# Altium PCB PCB1.PcbDoc (part 1 of 2)
Units mm, origin at the board's own origin, x right, y up, seen from the top; angles counter-clockwise.
Board outline 131 x 56.04 mm, 2 copper layers (Top Layer, Bottom Layer), stack 1.036 mm thick; 213 components, 147 nets, 680 pads, 334 vias.
Unrouted connection lines stored in the file: 4.
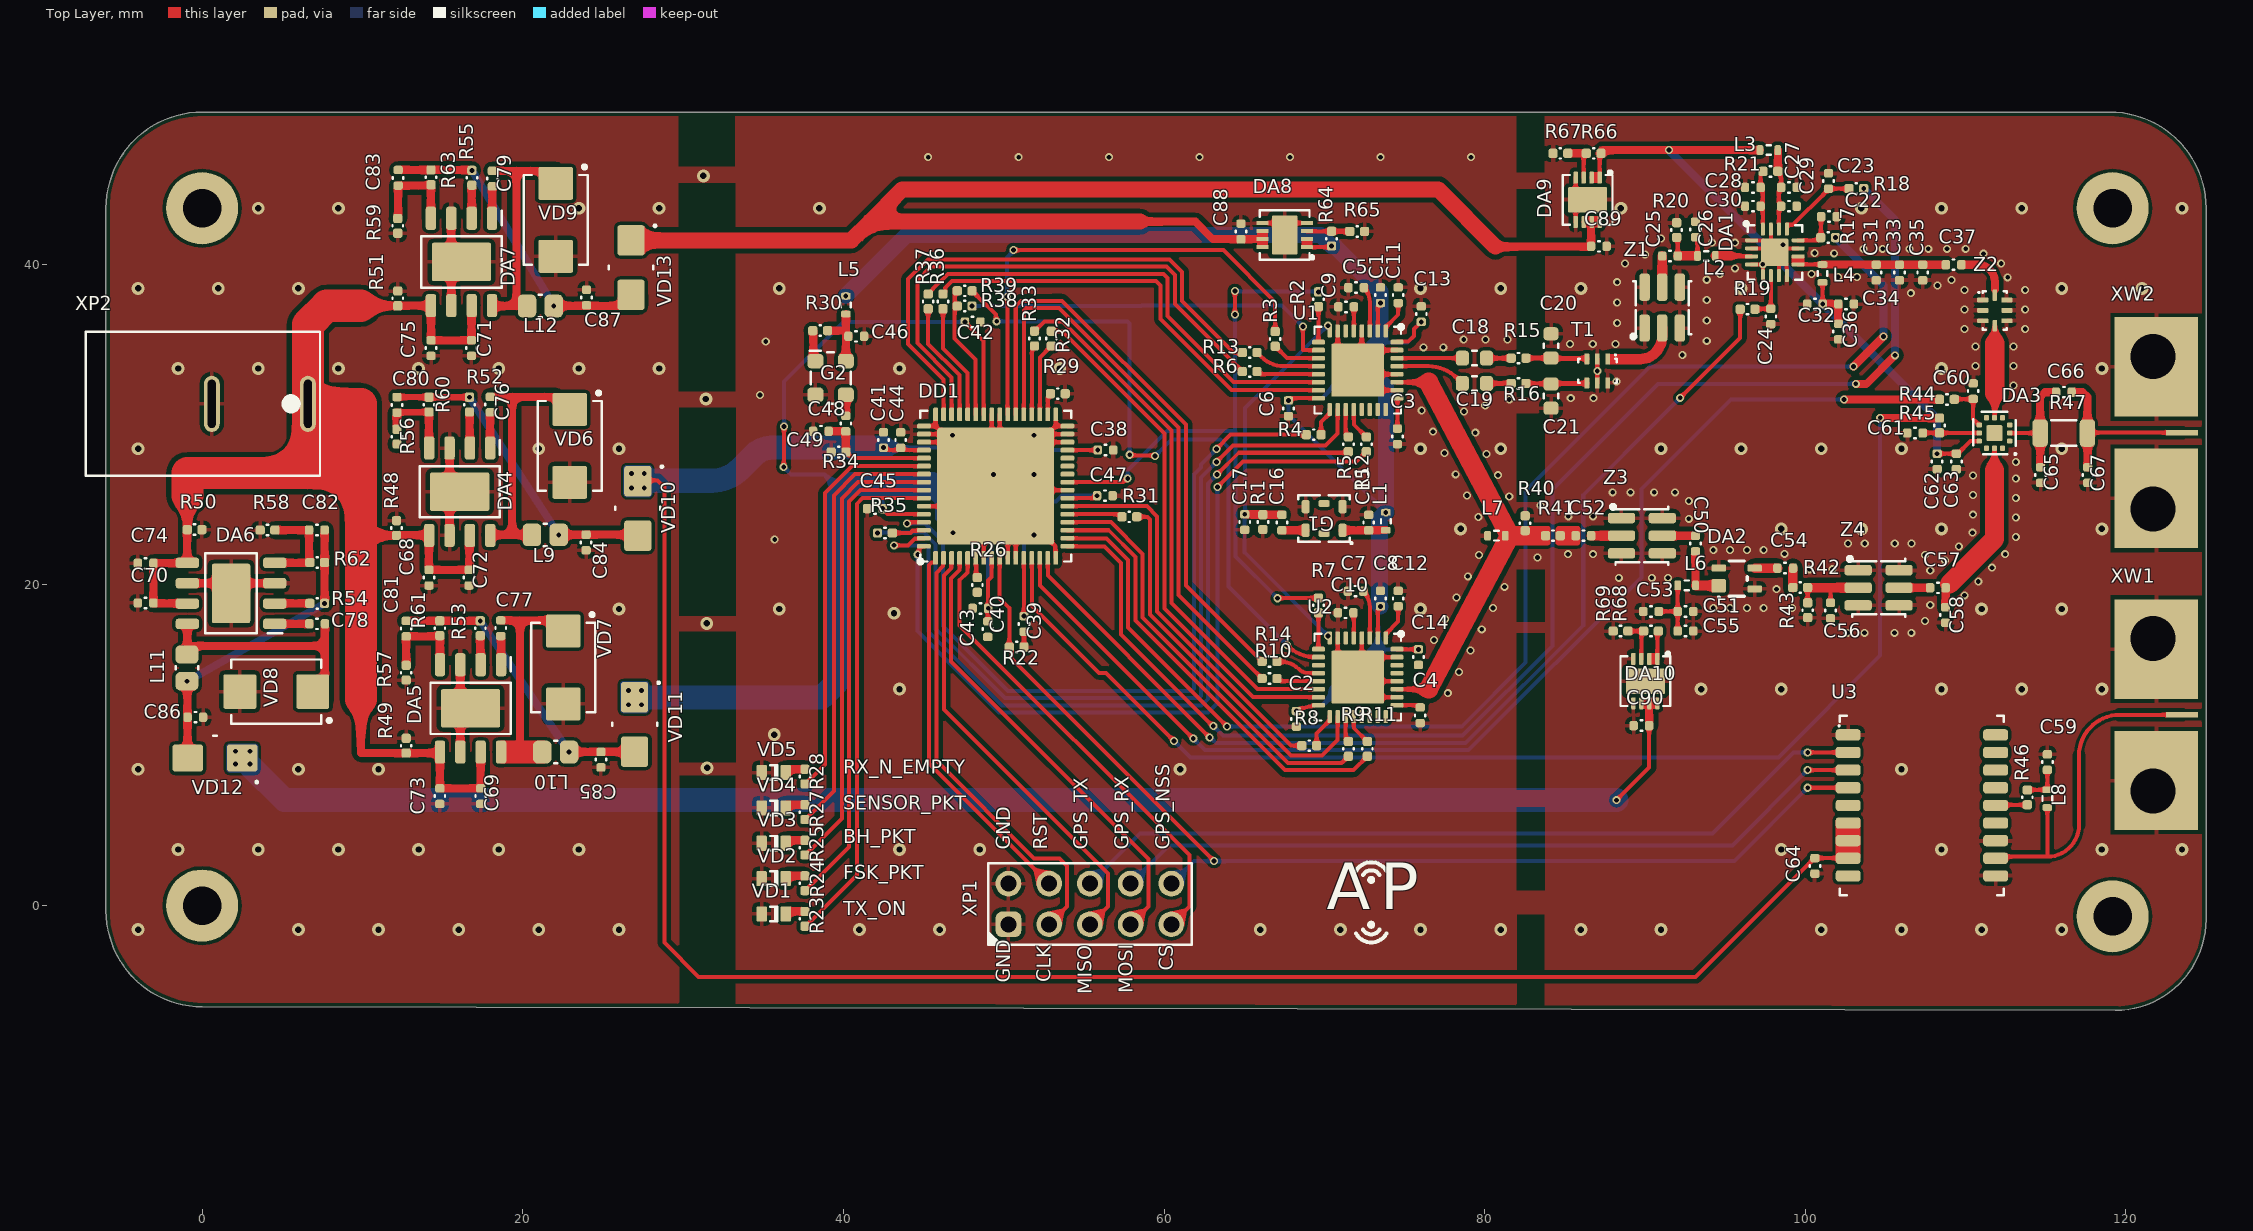
[diagram p0: Top Layer view]
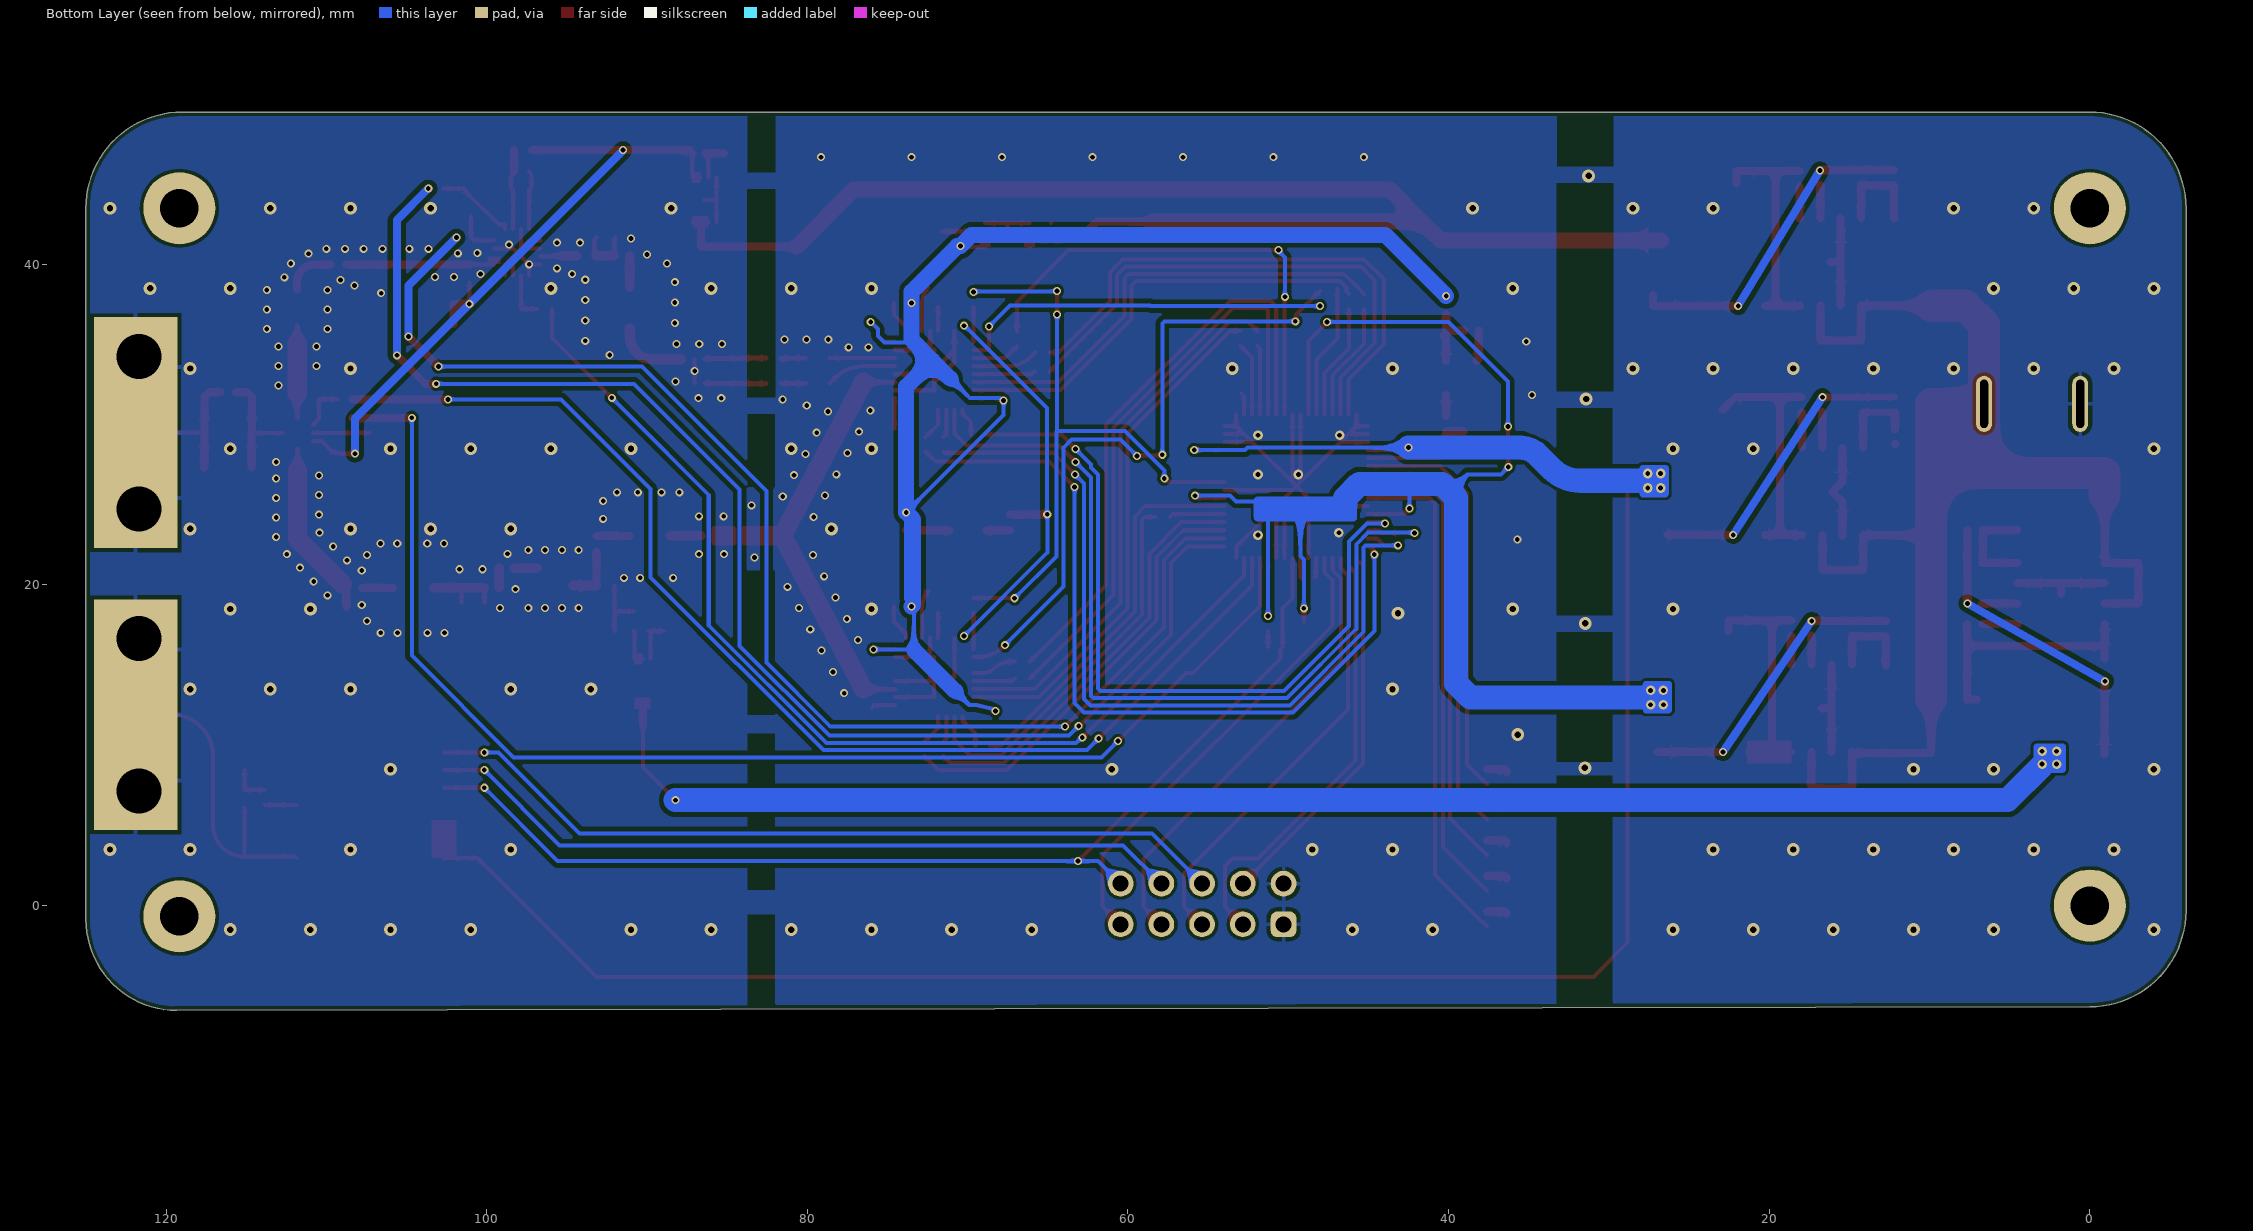
[diagram p1: Bottom Layer view, seen from below]
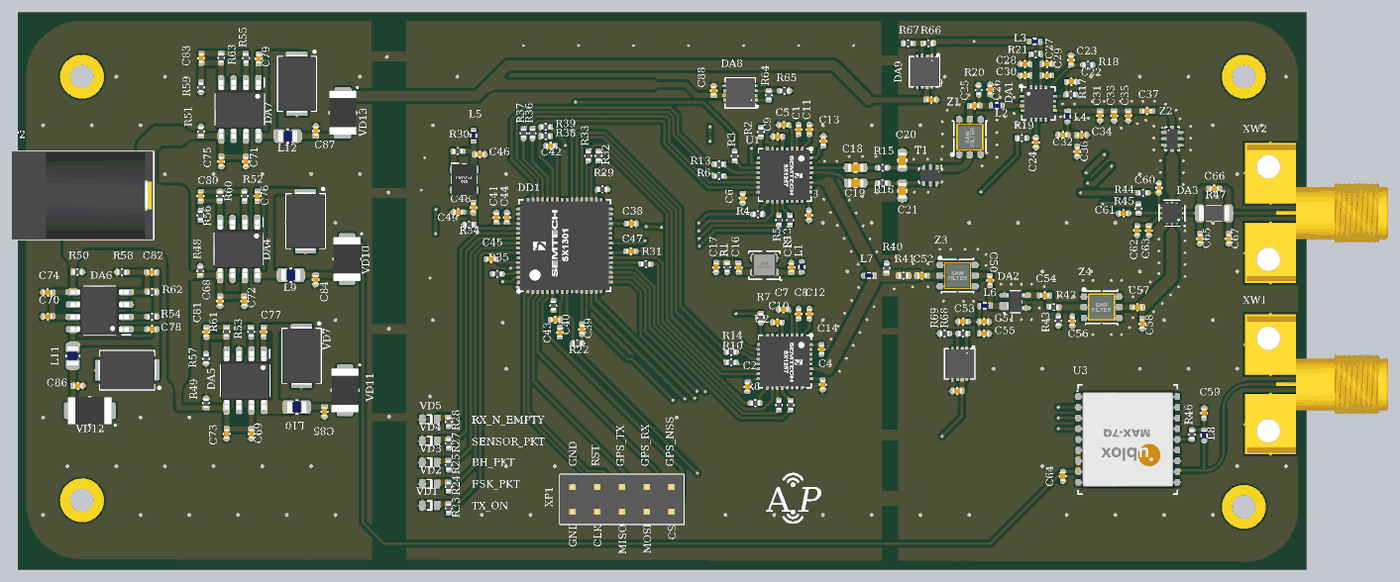
[diagram p3: 3D render of the assembled board from above, using the file's embedded part models]

## Layer stack, top to bottom
Top Solder: solder mask 0.0102, Solder Resist, Dk 3.5
Top Layer: signal copper 0.018
Dielectric 1: core 1, FR4, Dk 4.6
Bottom Layer: signal copper 0.018
Bottom Solder: solder mask 0.0102, Solder Resist, Dk 3.5

## Board outline
0,-6.312 cw(c0,-0.312) -6,-0.312 -6,43.5 cw(c0,43.5) 0,49.5 119,49.5 cw(c119,43.5) 125,43.5 125,-0.5 125,-0.864 cw(c119.324,-0.864) 119.324,-6.54 119.553,-6.535

## Design rules (kind name [scope] priority, off if disabled: settings)
BoardOutlineClearance SolderMask [OnSolderMask] p1: gap=0 ignorepadtopadclearanceinfootprint=FALSE except(0.25: Arc-CavityEdge Arc-SplitContinuation Track-CavityEdge Track-SplitContinuation SMDPad-CavityEdge SMDPad-SplitContinuation THPad-CavityEdge THPad-SplitContinuation Via-CavityEdge Via-SplitContinuation Fill-CavityEdge Fill-SplitContinuation Poly-CavityEdge Poly-SplitContinuation Region-CavityEdge Region-SplitContinuation Text-CavityEdge Text-SplitContinuation)
BoardOutlineClearance [All] p2: gap=0.25 ignorepadtopadclearanceinfootprint=FALSE
Clearance [All] p1: gap=0.2 ignorepadtopadclearanceinfootprint=FALSE except(0.3: Track-Poly)
Clearance Clearance_RF [InNet('GND') vs InNetClass('RF')] p2: gap=0.3 ignorepadtopadclearanceinfootprint=FALSE
ComponentClearance [All] p1: gap=0.25 collisioncheckmode=3 verticalgap=0.25 showdistances=FALSE
DiffPairsRouting [All] p1: maxlimit=0.25 minlimit=0.25 mostfreqgap=0.25 toplayer_minwidth=0.2 toplayer_maxwidth=1 toplayer_prefwidth=0.4 bottomlayer_minwidth=0.2 bottomlayer_maxwidth=1 bottomlayer_prefwidth=0.4 maxuncoupledlength=10
HoleSize [All] p1: absolutevalues=TRUE maxlimit=8 minlimit=0.3 maxpercent=80.000 minpercent=20.000
HoleToHoleClearance [All] p1: gap=0.3 allowstackedmicrovias=TRUE
MinimumSolderMaskSliver [All] p1: minsoldermaskwidth=0.15
PlaneClearance [All] p1: clearance=0.3
PlaneConnect [All] p1: planeconnectstyle=Relief reliefexpansion=0.5 reliefentries=4 reliefconductorwidth=0.25 reliefairgap=0.3
PolygonConnect [All] p1: thpad.connectstyle=Relief thpad.reliefconductorwidth=0.25 thpad.reliefentries=4 thpad.polygonreliefangle="90 Angle" thpad.airgapwidth=0.25 smdpad.connectstyle=Relief smdpad.reliefconductorwidth=0.25 smdpad.reliefentries=4 smdpad.polygonreliefangle="90 Angle" smdpad.airgapwidth=0.25 via.connectstyle=Direct via.reliefconductorwidth=0.25 via.reliefentries=4 via.polygonreliefangle="90 Angle" via.airgapwidth=0.25
ReturnPath [All] p1: impedanceprofileid={2CF304FD-49DA-4276-8468-CD12DB598121} _gaplimit=0.5
RoutingCorners [All] p1: cornerstyle=Round minsetback=2.5 maxsetback=2.5
RoutingVias [All] p1: holewidth=0.3 width=0.5 viastyle="Through Hole" minholewidth=0.3 minwidth=0.5 maxholewidth=1 maxwidth=1.5
SilkToSilkClearance [All] p1: silktosilkclearance=0.05
SilkToSolderMaskClearance [IsPad] p1: minsilkscreentomaskgap=0.05 clearancetoexposedcopper=TRUE
SolderMaskExpansion [All] p1: expansion=0.05 istentingtop=FALSE
UnRoutedNet [All] p1: checkbadconnections=TRUE
Width [All] p1: maxlimit=3 minlimit=0.25 preferedwidth=0.3 minimp=50.000000 maximp=50.000000 favimp=50.000000
19 further rules are at their usual default settings.

## Classes and differential pairs
net class RF: BPF_IN_2 NetC18_1 NetC19_1 NetC25_1 NetC31_1 NetC56_2 NetC66_1 RF_IN RF_OUT RFSW_OUT
component class "МПСУ.464421.22-01 Switch,GPS, IO Connectors": C59 C60 C61 C62 C63 C64 C65 C66 C67 DA3 L8 R44 R45 R46 R47 U3 XP1 XW1 XW2
component class "МПСУ.464421.22-01 RF Interface": C1 C2 C3 C4 C5 C6 C7 C8 C9 C10 C11 C12 C13 C14 C15 C16 C17 C18 C19 C20 C21 G1 L1 R1 R2 R3 R4 R5 R6 R7 R8 R9 R10 R11 R12 R13 R14 R15 R16 T1 U1 U2
component class "МПСУ.464421.22-01 RF_OUT": C22 C23 C24 C25 C26 C27 C28 C29 C30 C31 C32 C33 C34 C35 C36 C37 DA1 L2 L3 L4 R17 R18 R19 R20 R21 Z1 Z2
component class "МПСУ.464421.22-01 RF_IN": C50 C51 C52 C53 C54 C55 C56 C57 C58 DA2 L6 L7 R40 R41 R42 R43 Z3 Z4
component class "МПСУ.464421.22-01 Power": C68 C69 C70 C71 C72 C73 C74 C75 C76 C77 C78 C79 C80 C81 C82 C83 C84 C85 C86 C87 C88 C89 C90 DA4 DA5 DA6 DA7 DA8 DA9 DA10 L9 L10 L11 L12 L14 L15 L16 L17 L18 L? R48 R49 R50 R51 R52 R53 R54 R55 R56 R57 R58 R59 R60 R61 R62 R63 R64 R65 R66 R67 R68 R69 VD6 VD7 VD8 VD9 VD10 VD11 VD12 VD13 XP2
component class "МПСУ.464421.22-01 BBP": C38 C39 C40 C41 C42 C43 C44 C45 C46 C47 C48 C49 DD1 G2 L5 R22 R23 R24 R25 R26 R27 R28 R29 R30 R31 R32 R33 R34 R35 R36 R37 R38 R39 VD1 VD2 VD3 VD4 VD5

## Components (designator, comment, footprint, x,y, rotation, side; value= is the part's Value field where it differs from the comment)
C1 "1 мкФ ± 0 % 0 В  0402" CAPC100X50X55L20N 73.5,38.072 r270 top value="1 мкФ"
C2 "1 мкФ ± 0 % 0 В  0402" CAPC100X50X55L20N 68.257,11.65 r90 top value="1 мкФ"
C3 "1 мкФ ± 0 % 0 В  0402" CAPC100X50X55L20N 74.56,29.272 r270 top value="1 мкФ"
C4 "1 мкФ ± 0 % 0 В  0402" CAPC100X50X55L20N 75.982,11.872 r270 top value="1 мкФ"
C5 "1 мкФ ± 0 % 0 В  0402" CAPC100X50X55L20N 71.985,38.547 r180 top value="1 мкФ"
C6 "1 мкФ ± 0 % 0 В  0402" CAPC100X50X55L20N 67.76,31.022 r90 top value="1 мкФ"
C7 "1 мкФ ± 0 % 0 В  0402" CAPC100X50X55L20N 71.947,19.61 r180 top value="1 мкФ"
C8 "1 мкФ ± 0 % 0 В  0402" CAPC100X50X55L20N 73.5,19.15 r270 top value="1 мкФ"
C9 "1 мкФ ± 0 % 0 В  0402" CAPC100X50X55L20N 71.36,37.347 r180 top value="1 мкФ"
C10 "1 мкФ ± 0 % 0 В  0402" CAPC100X50X55L20N 71.332,18.265 r180 top value="1 мкФ"
C11 "1 мкФ ± 0 % 0 В  0402" CAPC100X50X55L20N 74.61,38.072 r90 top value="1 мкФ"
C12 "1 мкФ ± 0 % 0 В  0402" CAPC100X50X55L20N 74.607,19.15 r90 top value="1 мкФ"
C13 "1 мкФ ± 0 % 0 В  0402" CAPC100X50X55L20N 76.049,36.892 r270 top value="1 мкФ"
C14 "1 мкФ ± 0 % 0 В  0402" CAPC100X50X55L20N 75.867,15.495 r90 top value="1 мкФ"
C15 "10 нФ ± 0 % 0 В  0402" CAPC100X50X55L20N 72.768,23.893 r90 top value="10 нФ"
C16 "56пФ ± 0 % 0 В  0402" CAPC100X50X55L20N 67.35,23.895 r90 top value=56пФ
C17 "DNP ± 0 % 0 В  0402" CAPC100X50X55L20N 65.035,23.922 r270 top value=DNP
C18 "100 пФ ± 0 % 0 В  0603" CAPC160X80X90L30N 79.365,34.147 r0 top value="100 пФ"
C19 "100 пФ ± 0 % 0 В  0603" CAPC160X80X90L30N 79.365,32.572 r0 top value="100 пФ"
C20 "4,02 пФ ± 0 % 0 В  0603" CAPC160X80X90L30N 84.14,34.915 r270 top value="4,02 пФ"
C21 "4,02 пФ ± 0 % 0 В  0603" CAPC160X80X90L30N 84.14,31.785 r270 top value="4,02 пФ"
C22 "100 пФ ± 0 % 0 В  0402" CAPC100X50X55L20N 101.475,42.975 r180 top value="100 пФ"
C23 "100 пФ ± 0 % 0 В  0402" CAPC100X50X55L20N 101.45,45.2 r270 top value="100 пФ"
C24 "100 пФ ± 0 % 0 В  0402" CAPC100X50X55L20N 97.85,36.75 r90 top value="100 пФ"
C25 "100 пФ ± 0 % 0 В  0402" CAPC100X50X55L20N 91.56,40.525 r0 top value="100 пФ"
C26 "DNP ± 0 % 0 В  0402" CAPC100X50X55L20N 93.15,42.175 r90 top value=DNP
C27 "100 пФ ± 0 % 0 В  0402" CAPC100X50X55L20N 98.975,44.8 r180 top value="100 пФ"
C28 "100 пФ ± 0 % 0 В  0402" CAPC100X50X55L20N 96.725,44.8 r0 top value="100 пФ"
C29 "2.2 мкФ ± 0 % 0 В  0402" CAPC100X50X55L20N 98.975,43.625 r180 top value="2.2 мкФ"
C30 "2.2 мкФ ± 0 % 0 В  0402" CAPC100X50X55L20N 96.725,43.625 r0 top value="2.2 мкФ"
C31 "DNP ± 0 % 0 В  0402" CAPC100X50X55L20N 104.425,39.49 r270 top value=DNP
C32 "100 пФ ± 0 % 0 В  0402" CAPC100X50X55L20N 100.6,37.525 r180 top value="100 пФ"
C33 "DNP ± 0 % 0 В  0402" CAPC100X50X55L20N 105.875,39.49 r270 top value=DNP
C34 "100 пФ ± 0 % 0 В  0402" CAPC100X50X55L20N 102.55,37.525 r0 top value="100 пФ"
C35 "DNP ± 0 % 0 В  0402" CAPC100X50X55L20N 107.325,39.49 r270 top value=DNP
C36 "DNP ± 0 % 0 В  0402" CAPC100X50X55L20N 102.075,35.8 r270 top value=DNP
C37 "100 пФ ± 0 % 0 В  0402" CAPC100X50X55L20N 109.25,39.975 r0 top value="100 пФ"
C38 "100 нФ ± 0 % 0 В  0402" CAPC100X50X55L20N 56.35,28.413 r0 top value="100 нФ"
C39 "100 нФ ± 0 % 0 В  0402" CAPC100X50X55L20N 51.265,17.57 r270 top value="100 нФ"
C40 "100 нФ ± 0 % 0 В  0402" CAPC100X50X55L20N 48.546,18.541 r180 top value="100 нФ"
C41 "100 нФ ± 0 % 0 В  0402" CAPC100X50X55L20N 42.5,29.038 r90 top value="100 нФ"
C42 "100 нФ ± 0 % 0 В  0402" CAPC100X50X55L20N 48.066,36.407 r0 top value="100 нФ"
C43 "1 мкФ ± 0 % 0 В  0402" CAPC100X50X55L20N 49.006,17.239 r270 top value="1 мкФ"
C44 "1 мкФ ± 0 % 0 В  0402" CAPC100X50X55L20N 43.575,29.038 r90 top value="1 мкФ"
C45 "100 нФ ± 0 % 0 В  0402" CAPC100X50X55L20N 41.961,24.763 r180 top value="100 нФ"
C46 "10 нФ ± 0 % 0 В  0402" CAPC100X50X55L20N 40.8,35.512 r0 top value="10 нФ"
C47 "100 нФ ± 0 % 0 В  0402" CAPC100X50X55L20N 56.306,25.569 r0 top value="100 нФ"
C48 "56пФ ± 0 % 0 В  0402" CAPC100X50X55L20N 40.15,30.063 r270 top value=56пФ
C49 "DNP ± 0 % 0 В  0402" CAPC100X50X55L20N 38.59,29.587 r180 top value=DNP
C50 "100 пФ ± 0 % 0 В  0402" CAPC100X50X55L20N 93.15,22.58 r270 top value="100 пФ"
C51 "100 пФ ± 0 % 0 В  0402" CAPC100X50X55L20N 92.525,18.35 r0 top value="100 пФ"
C52 "100 пФ ± 0 % 0 В  0402" CAPC100X50X55L20N 86.16,23.072 r0 top value="100 пФ"
C53 "100 пФ ± 0 % 0 В  0402" CAPC100X50X55L20N 90.375,18.35 r180 top value="100 пФ"
C54 "100 пФ ± 0 % 0 В  0402" CAPC100X50X55L20N 98.75,21.05 r0 top value="100 пФ"
C55 "100 пФ ± 0 % 0 В  0402" CAPC100X50X55L20N 92.525,17.125 r0 top value="100 пФ"
C56 "0.7 пФ ± 0 % 0 В  0402" CAPC100X50X55L20N 101.575,18.4 r90 top value="0.7 пФ"
C57 "100 пФ ± 0 % 0 В  0402" CAPC100X50X55L20N 108.27,19.825 r0 top value="100 пФ"
C58 "DNP ± 0 % 0 В  0402" CAPC100X50X55L20N 108.75,18.125 r270 top value=DNP
C59 "100 мкФ ± 0 % 0 В  0402" CAPC100X50X55L20N 115.1,8.95 r90 top value="100 мкФ"
C60 "100 пФ ± 0 % 0 В  0402" CAPC100X50X55L20N 110.475,32.085 r270 top value="100 пФ"
C61 "100 пФ ± 0 % 0 В  0402" CAPC100X50X55L20N 106.84,29.475 r0 top value="100 пФ"
C62 "0,2 мкФ ± 0 % 0 В  0402" CAPC100X50X55L20N 108.225,27.705 r90 top value="0,2 мкФ"
C63 "100 пФ ± 0 % 0 В  0402" CAPC100X50X55L20N 109.425,27.705 r90 top value="100 пФ"
C64 "100 мкФ ± 0 % 0 В  0402" CAPC100X50X55L20N 100.6,2.475 r270 top value="100 мкФ"
C65 "DNP ± 0 % 0 В  0402" CAPC100X50X55L20N 114.675,26.85 r90 top value=DNP
C66 "DNP ± 0 % 0 В  0402" CAPC100X50X55L20N 116.125,32.025 r180 top value=DNP
C67 "DNP ± 0 % 0 В  0402" CAPC100X50X55L20N 117.625,26.85 r90 top value=DNP
C68 "10 мкФ ± 0 % 0 В  0402" CAPC100X50X55L20N 14.15,20.45 r270 top value="10 мкФ"
C69 "10 мкФ ± 0 % 0 В  0402" CAPC100X50X55L20N 17.375,6.825 r270 top value="10 мкФ"
C70 "10 мкФ ± 0 % 0 В  0402" CAPC100X50X55L20N -3.525,18.875 r180 top value="10 мкФ"
C71 "10 мкФ ± 0 % 0 В  0402" CAPC100X50X55L20N 16.8,34.775 r270 top value="10 мкФ"
C72 "0.1 мкФ ± 0 % 0 В  0402" CAPC100X50X55L20N 16.65,20.45 r270 top value="0.1 мкФ"
C73 "0.1 мкФ ± 0 % 0 В  0402" CAPC100X50X55L20N 14.825,6.825 r270 top value="0.1 мкФ"
C74 "0.1 мкФ ± 0 % 0 В  0402" CAPC100X50X55L20N -3.525,21.35 r180 top value="0.1 мкФ"
C75 "0.1 мкФ ± 0 % 0 В  0402" CAPC100X50X55L20N 14.275,34.775 r270 top value="0.1 мкФ"
C76 "0.1 мкФ ± 0 % 0 В  0402" CAPC100X50X55L20N 17.975,31.25 r90 top value="0.1 мкФ"
C77 "0.1 мкФ ± 0 % 0 В  0402" CAPC100X50X55L20N 18.625,17.3 r90 top value="0.1 мкФ"
C78 "0.1 мкФ ± 0 % 0 В  0402" CAPC100X50X55L20N 7.175,17.575 r0 top value="0.1 мкФ"
C79 "0.1 мкФ ± 0 % 0 В  0402" CAPC100X50X55L20N 18.1,45.35 r90 top value="0.1 мкФ"
C80 "0.1 мкФ ± 0 % 0 В  0402" CAPC100X50X55L20N 12.15,31.235 r270 top value="0.1 мкФ"
C81 "0.1 мкФ ± 0 % 0 В  0402" CAPC100X50X55L20N 12.725,17.275 r270 top value="0.1 мкФ"
C82 "0.1 мкФ ± 0 % 0 В  0402" CAPC100X50X55L20N 7.15,23.425 r180 top value="0.1 мкФ"
C83 "0.1 мкФ ± 0 % 0 В  0402" CAPC100X50X55L20N 12.225,45.4 r270 top value="0.1 мкФ"
C84 "100 мкФ ± 0 % 0 В  0402" CAPC100X50X55L20N 23.95,22.65 r270 top value="100 мкФ"
C85 "100 мкФ ± 0 % 0 В  0402" CAPC100X50X55L20N 24.875,9.1 r270 top value="100 мкФ"
C86 "100 мкФ ± 0 % 0 В  0402" CAPC100X50X55L20N -0.43,11.75 r0 top value="100 мкФ"
C87 "100 мкФ ± 0 % 0 В  0402" CAPC100X50X55L20N 23.975,37.925 r90 top value="100 мкФ"
C88 "100 мкФ ± 0 % 0 В  0402" CAPC100X50X55L20N 64.8,42.053 r90 top value="100 мкФ"
C89 "100 мкФ ± 0 % 0 В  0402" CAPC100X50X55L20N 87.12,41.125 r0 top value="100 мкФ"
C90 "100 мкФ ± 0 % 0 В  0402" CAPC100X50X55L20N 89.775,11.225 r180 top value="100 мкФ"
DA1 "RFPA0133TR7" QFN50P300X300X90_HS-17N 98.1,40.75 r0 top
DA2 "SPF5043Z" SOT130P210X100-4N 95.725,20.4 r180 top
DA3 "RFSW1012" PQFN50P200X200X60_HS-13N 111.8,29.475 r180 top
DA4 "ST1S14PH" SOP127P600X175_HS-9N 16.066,25.816 r270 top
DA5 "ST1S14PH" SOP127P600X175_HS-9N 16.74,12.3 r270 top
DA6 "ST1S14PH" SOP127P600X175_HS-9N 1.8,19.475 r180 top
DA7 "ST1S14PH" SOP127P600X175_HS-9N 16.175,40.15 r270 top
DA8 "LT1965*DD" SON9P50_300X300X80L40X25T244X160N 67.525,41.828 r90 top
DA9 "LT1965*DD" SON9P50_300X300X80L40X25T244X160N 86.425,44.025 r180 top
DA10 "LT1965*DD" SON9P50_300X300X80L40X25T244X160N 90.025,14 r180 top
DD1 "SX1301IMLTRC" SX1301IMLTRC 49.5,26.163 r90 top
G1 "KT2520K.*****.*.*.*.**.*.*" KT2520K 69.985,24.147 r180 top
G2 "DSC1001CI2-133.0000" DSC1001CI2 39.2,32.913 r0 top
L1 "100 нГн ± 0 % 0 А 0402" INDC100X50X60L10N 73.835,23.972 r270 top value="100 нГн"
L2 "DNP 0 Гн ± 0 % 0 А 0402" INDC100X50X60L10N 93.833,40.527 r0 top value="DNP 0 Гн"
L3 "100 нГн ± 0 % 0 А 0402" INDC100X50X60L10N 97.73,47.125 r0 top value="100 нГн"
L4 "100 нГн ± 0 % 0 А 0402" INDC100X50X60L10N 101.075,39.43 r90 top value="100 нГн"
L5 "100 нГн ± 0 % 0 А 0402" INDC100X50X60L10N 40.15,37.463 r270 top value="100 нГн"
L6 "100 нГн ± 0 % 0 А 0402" INDC100X50X60L10N 92.6,19.975 r0 top value="100 нГн"
L7 "82 нГн ± 0 % 0 А 0402" INDC100X50X60L10N 80.735,23.072 r180 top value="82 нГн"
L8 "270 нГн ± 0 % 0 А 0402" INDC100X50X60L10N 115.1,6.675 r270 top value="270 нГн"
L9 "4,7 мкГн ± 0 % 0 А 0805" INDC200X120X110L50N 21.41,23.125 r0 top value="4,7 мкГн"
L10 "4,7 мкГн ± 0 % 0 А 0805" INDC200X120X110L50N 22.05,9.575 r0 top value="4,7 мкГн"
L11 "4,7 мкГн ± 0 % 0 А 0805" INDC200X120X110L50N -0.95,14.825 r270 top value="4,7 мкГн"
L12 "4,7 мкГн ± 0 % 0 А 0805" INDC200X120X110L50N 21.1,37.4 r0 top value="4,7 мкГн"
R1 "DNP ± 0 % 0 Вт 0402" RESC100X50X40L25N 66.164,23.922 r270 top value=DNP
R2 "100 Ом ± 0 % 0 Вт 0402" RESC100X50X40L25N 69.635,37.822 r270 top value="100 Ом"
R3 "100 Ом ± 0 % 0 Вт 0402" RESC100X50X40L25N 66.935,35.347 r270 top value="100 Ом"
R4 "100 Ом ± 0 % 0 Вт 0402" RESC100X50X40L25N 69.335,29.372 r0 top value="100 Ом"
R5 "100 Ом ± 0 % 0 Вт 0402" RESC100X50X40L25N 71.5,28.772 r90 top value="100 Ом"
R6 "100 Ом ± 0 % 0 Вт 0402" RESC100X50X40L25N 65.345,33.312 r0 top value="100 Ом"
R7 "100 Ом ± 0 % 0 Вт 0402" RESC100X50X40L25N 69.632,18.725 r270 top value="100 Ом"
R8 "100 Ом ± 0 % 0 Вт 0402" RESC100X50X40L25N 69.057,9.975 r0 top value="100 Ом"
R9 "100 Ом ± 0 % 0 Вт 0402" RESC100X50X40L25N 71.5,9.775 r90 top value="100 Ом"